# Altium PCB Core.PcbDoc (part 4 of 5) (continued)
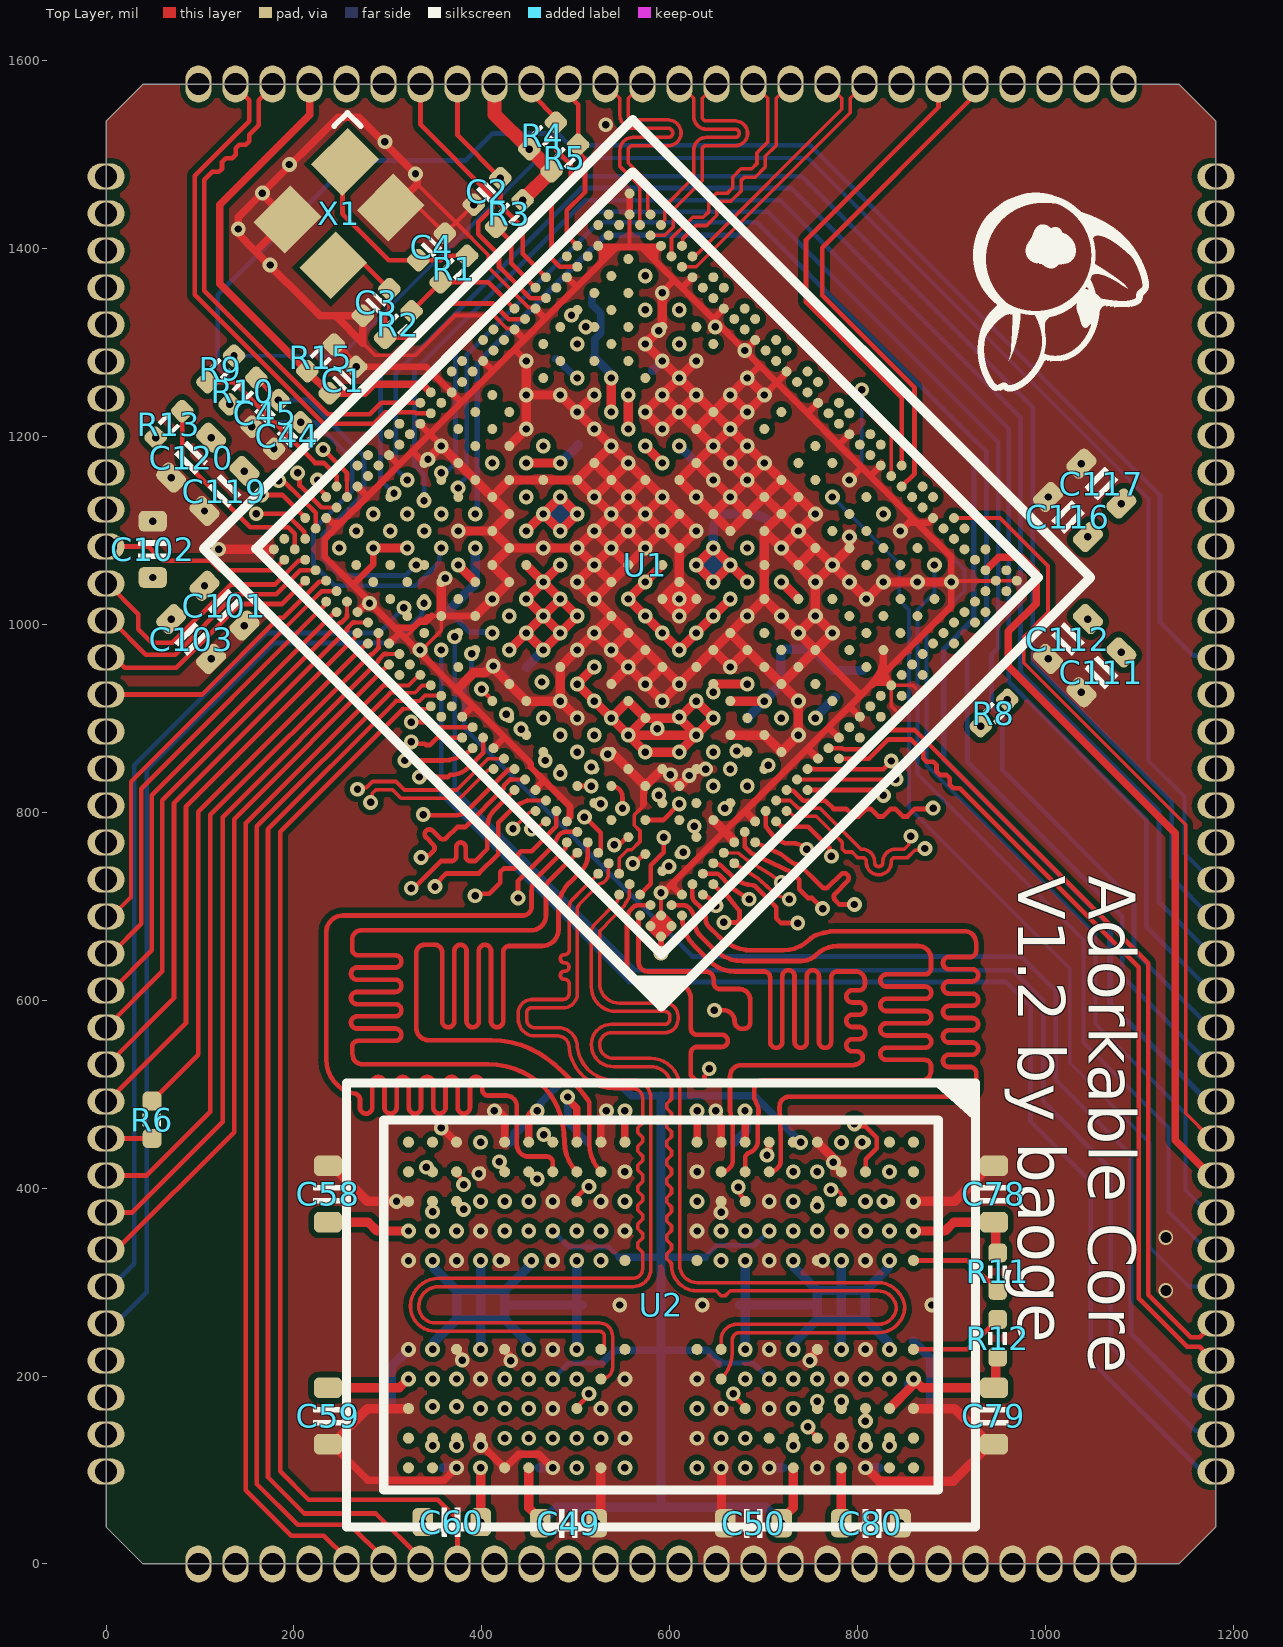
[diagram p0: Top Layer view]
## Nets (pads, with @x,y where several pads share a name; then routed paths per layer and width w, separated by ;. In a path a pad name is that pad's centre, name@x,y a point inside that pad or via, vN(x,y) a via of type N, cw(c..) or ccw(c..) an arc to the next point about the centre after c; other vN are vias at no path point) (continued)
LPDDR4_RESETN: U1.1C7 U2.T11 | length 904.3
  SIG3 w5: v1(475.39,133.86) 489.8,119.45 558.13,119.45 584.33,145.65 584.33,635.61 576.15,643.79 576.15,720.19 584.33,728.37 584.33,761.95 568.65,777.62 568.65,847.49 534.1,882.04 v1(519.56,882.04)
NetC3_2: C3.2 R2.1 U1.AD37 X1.3 | length 296.9
  Top Layer w4.6: 432.64,1324.67 U1.AD37@445.79,1324.67
  Top Layer w5: X1.3@241.77,1382.02 244.04,1384.3 273.91,1384.3 C3.2@301.54,1356.66 301.54,1333.56 296.88,1328.89 R2.1@296.88,1304.76 331.34,1304.76 367.8,1341.22 411.99,1341.22 428.54,1324.67 432.64,1324.67
NetC4_2: C4.2 R1.1 X1.1 | length 211.4
  Top Layer w5: X1.1@254.3,1491.99 251.51,1489.21 251.51,1436.81 300.89,1387.43 356.55,1387.43 361.21,1392.09 R1.1@384.22,1392.09
NetR1_2: R1.2 R2.2 U1.AD38 | length 133.8
  Top Layer w5: R2.2@325.17,1333.04 R1.2@355.94,1363.81 406.65,1363.81 U1.AD38@434.65,1335.81
NetR6_1: R6.1 U1.A29 | length 583
  Top Layer w5: R6.1@48.92,492.76 97.97,541.81 97.97,800.58 274.05,976.66 274.42,976.66 277.23,979.47 U1.A29@278.76,979.47
NetR7_1: R7.1 U1.1U16
  other v1: 610.04,1298.23
NetR8_1: R8.1 U1.1F3 | length 385.4
  GND5 w5: v1(646.23,863.94) 661.83,879.54 677.03,879.54 687.84,868.72 687.84,846.37 698.66,835.56 748.07,835.56 832.17,919.65 v1(959.02,919.65)
NetR9_1: R9.1 U1.G38 | length 190
  Top Layer w5: R9.1@107.91,1257.51 136.55,1257.51 201.48,1192.58 222.44,1171.62 231.45,1171.62 245.35,1157.72 U1.G38@245.35,1146.5
NetR11_2: R11.2 U2.A5 | length 102.7
  Top Layer w5: U2.A5@859.25,322.83 917.01,322.83 R11.2@948.82,291.02
NetR12_1: R12.1 U2.A8 | length 102.7
  Top Layer w5: U2.A8@859.25,228.35 917.01,228.35 R12.1@948.82,260.16
NetR13_1: R13.1 U1.B37 | length 220.4
  Top Layer w4.6: 200.77,1096.25 200.81,1096.21 U1.B37@200.81,1079.69
  Top Layer w5: R13.1@81.07,1226.74 81.07,1175.37 153.3,1103.14 193.88,1103.14 200.77,1096.25
PDM_CLK0_M0_PMIC: pad.89 U1.1A14 | length 1459.1
  Bottom Layer w5: v1(356.71,972.52) 356.71,868.3 356.71,819.23 556.59,619.35 957.24,619.35 983.72,592.87 983.72,470.95 1048,406.67 1048,216.42 1161.68,102.74 1176.79,102.74 pad.89@1181.1,98.43
PMIC_INT_L: pad.21 U1.1R19 | length 362.9
  PWR4 w5: pad.21@295.28,1574.8 295.28,1568.9 363.45,1500.72 363.45,1440.22 471.61,1332.06 489.28,1314.39 508.67,1314.39 v1(510.61,1316.33)
PMIC_SLEEP_H: pad.22 U1.1P19 | length 391.5
  PWR4 w5: pad.22@255.91,1574.8 255.91,1521.2 476.81,1300.29 499.41,1300.29 v1(501.47,1298.23)
RESETN: C2.2 pad.19 U1.1R20 U1.AG38 | length 427
  Top Layer w5: pad.19@374.02,1574.8 374.02,1520.41 v1(419.65,1474.77) 419.65,1445.64 443.28,1422.01 443.28,1394 U1.AG38@468.06,1369.21
  PWR4 w5: v1(419.65,1474.77) 419.65,1443.93 501.47,1362.11 501.47,1350.02 495.62,1344.17 495.62,1329.16 v1(495.25,1328.79)
RGB_LED_B: pad.91 U1.1B13 | length 1344.2
  Bottom Layer w5: v1(388.98,968.58) 388.98,948.81 380.84,940.68 380.84,890.08 624.56,646.37 973.95,646.37 1010.62,609.7 1010.62,515 1090.72,434.9 1090.72,244.9 1156.85,178.78 1179.49,178.78 pad.91@1181.1,177.17
RGB_LED_G: U1.A26
RGB_LED_R: U1.B26
SARADC_VIN0: C44.2 pad.111 U1.1D17 | length 2002.4
  Bottom Layer w5: v1(356.71,1081.09) 354.65,1079.03 354.65,1066.06 329.48,1040.9 243.54,1040.9 220.72,1063.72 220.72,1100.62 262.04,1141.95 262.04,1175.29 222.4,1214.93 v1(207.06,1214.93) 178.04,1214.93 119.01,1273.95 119.01,1350.74 261.82,1493.55 382.85,1493.55 411.58,1522.28 480.59,1522.28 493.19,1509.68 749.26,1509.68 1121.54,1137.4 1121.54,1002.26 1157.17,966.63 1179.04,966.63 pad.111@1181.1,964.57
SDMMC0_CLK: pad.105 R9.2 | length 1648.7
  Bottom Layer w4: v1(136.19,1285.8) 250.34,1285.8 460.58,1496.03 746.81,1496.03 1109.42,1133.42 1109.42,854.74 1147.48,816.68 1147.48,756.07 1175.2,728.35 pad.105@1181.1,728.35
SDMMC0_CMD: pad.102 U1.1E19 | length 1643.3
  Bottom Layer w5: v1(338.32,1131.48) 338.61,1131.77 338.61,1159.09 328.15,1169.54 328.15,1269.44 509.86,1451.15 717.35,1451.15 960.51,1207.98 960.51,938.54 1107.13,791.92 1107.13,678.31 1175.2,610.24 pad.102@1181.1,610.24
SDMMC0_D0: pad.103 U1.1E20 | length 1626.1
  Bottom Layer w5: v1(320.52,1153.47) 308.32,1165.67 308.32,1266.91 505.51,1464.11 728.96,1464.11 973.06,1220.01 973.06,948.65 1120.38,801.33 1120.38,704.42 1175.2,649.61 pad.103@1181.1,649.61
SDMMC0_D1: pad.101 U1.1F19 | length 1609.7
  Bottom Layer w5: v1(356.71,1161.22) 358.76,1163.28 363.86,1163.28 371.89,1171.31 371.89,1294.31 516.56,1438.98 704.29,1438.98 949.4,1193.87 949.4,975.11 942.28,968 942.28,912.22 953.65,900.86 953.65,844.93 1093.87,704.7 1093.87,652.19 1175.2,570.87 pad.101@1181.1,570.87
SDMMC0_D2: pad.104 U1.1D20 | length 1645.5
  Bottom Layer w5: v1(306.38,1139.29) 292.04,1153.63 292.04,1271.8 496.92,1476.67 740.55,1476.67 986.18,1231.05 986.18,958.9 1133.96,811.12 1133.96,730.21 1175.2,688.98 pad.104@1181.1,688.98
SDMMC0_D3: pad.100 U1.1F18 | length 1631.8
  Bottom Layer w5: v1(374.58,1144.99) 374.58,1147.9 383.77,1157.09 383.77,1286.9 524.51,1427.64 692.57,1427.64 916.75,1203.45 936.92,1183.29 936.92,992.14 916.33,971.56 916.33,885.4 916.75,884.98 916.75,853.29 1081.33,688.72 1081.33,625.36 1175.2,531.5 pad.100@1181.1,531.5
SDMMC0_DET_L: pad.20 U1.AF37 | length 305.4
  Top Layer w4.6: 451.4,1346.94 U1.AF37@468.06,1346.94
  Top Layer w5: pad.20@334.65,1574.8 334.65,1531.5 411.15,1454.99 411.15,1442.75 396.03,1427.62 396.03,1414.87 418.17,1392.73 418.17,1380.15 451.38,1346.94
SDMMC1_CLK: pad.59 R13.2 | length 1009.8
  SIG3 w5: pad.59@0,216.54 10.27,216.54 29.02,235.29 29.02,1125.82 52.79,1149.58 v1(52.79,1198.46)
SDMMC1_CMD: pad.39 U1.B35 | length 275.4
  Top Layer w4.6: 206.76,1057.42 U1.B35@223.08,1057.42
  Top Layer w5: pad.39@0,1003.94 5.91,1003.94 42.27,967.57 73.41,967.57 137.66,1031.82 181.16,1031.82 206.76,1057.42
SDMMC1_D0: pad.65 U1.1C19 | length 1226.2
  SIG3 w5: pad.65@177.16,0 177.16,4.51 95.04,86.64 95.04,879.17 271.89,1056.02 284.08,1056.02 302.42,1074.36 v1(302.42,1099.18)
SDMMC1_D1: pad.60 U1.1E18 | length 1267.4
  SIG3 w5: pad.60@0,177.17 5.91,177.17 39.43,210.69 39.43,1003.41 101.3,1065.29 136.2,1065.29 204.26,1133.34 228.47,1133.34 266.69,1171.56 322.79,1171.56 356.71,1137.65 v1(356.71,1117.28)
SDMMC1_D2: pad.66 U1.1D18 | length 1285.7
  SIG3 w5: pad.66@216.53,0 216.53,10.39 196.37,30.55 180.81,30.55 106.15,105.21 106.15,871.1 273.44,1038.38 325.71,1038.38 344.35,1057.03 344.35,1073.07 338.61,1078.81 v1(338.61,1099.18)
SDMMC1_D3: pad.64 U1.1A20 | length 1171.8
  SIG3 w5: pad.64@137.79,0 137.79,8.14 83.43,62.51 83.43,889.54 248.14,1054.25 v1(248.14,1081.09)
SPI3_CLK_M1: pad.94 U1.1U7 | length 1026.1
  Bottom Layer w4: v1(772.9,1135.37) 844,1064.27 844,1025.55 854.46,1015.09 854.46,804.63 1025.45,633.64 1025.45,533.24 1110.45,448.24 1110.45,336.97 1152.14,295.28 pad.94@1181.1,295.28
SPI3_MOSI_M1: pad.96 U1.AP12 | length 1175.3
  Top Layer w4: v1(804.14,1249.57) 804.14,1232.28 835.53,1200.88 U1.AP12@835.53,1157.64
  Bottom Layer w4: v1(804.14,1249.57) 804.14,1167.6 913.47,1058.27 913.47,1035.3 873.08,994.9 873.08,849.87 1052.95,670 1052.95,574.92 1148.54,479.33 1148.54,397.74 1172.26,374.02 pad.96@1181.1,374.02
TFT_BLK: pad.97 U1.AP3 | length 815.6
  Top Layer w8: U1.AP3@935.75,1057.42 935.92,1057.42 949.74,1071.24 974.14,1071.24 989.84,1055.54 989.84,1021.97 960.27,992.41 960.27,955.05 1137.56,777.75 1137.56,451.02 1175.2,413.39 pad.97@1181.1,413.39
TFT_DC: pad.98 U1.AR7 | length 829.2
  Top Layer w4: U1.AR7@902.35,1113.1 951.25,1113.1 1002.41,1061.94 1002.41,1012.52 976.46,986.57 976.46,958.95 1148.86,786.54 1148.86,649.01 1148.86,479.5 1175.61,452.76 pad.98@1181.1,452.76
TFT_REC: pad.95 U1.1V2 | length 873.5
  Bottom Layer w4: v1(881.47,1062.99) 881.47,1033.44 863.38,1015.35 863.38,840.72 1040.05,664.05 1040.05,554.87 1130.5,464.42 1130.5,374.94 1170.79,334.65 pad.95@1181.1,334.65
UART1_CTSN_M0: pad.27 U1.G37 | length 450.7
  Top Layer w4.6: U1.G37@256.49,1135.37 256.49,1152.92
  Top Layer w5: v1(230.94,1186.03) 256.49,1160.48 256.49,1152.92
  SIG3 w5: pad.27@0,1476.38 5.91,1476.38 98.43,1383.86 98.43,1353.29 230.94,1220.78 v1(230.94,1186.03)
UART1_RTSN_M0: pad.28 U1.F37 | length 427.3
  Top Layer w4.6: 229.18,1124.36 229.31,1124.23 U1.F37@245.35,1124.23
  Top Layer w5: v1(203.84,1161.07) 205.9,1159.01 205.9,1147.64 229.18,1124.36
  SIG3 w5: pad.28@0,1437.01 5.91,1437.01 77.76,1365.15 77.76,1320.89 203.84,1194.81 v1(203.84,1161.07)
UART1_RX_M0: pad.62 U1.1C20 | length 1165.9
  SIG3 w5: pad.62@0,98.42 7.93,98.42 60.45,150.95 60.45,935.48 242.25,1117.28 v1(284.33,1117.28)
UART1_TX_M0: pad.26 U1.F38 | length 516.1
  Top Layer w5: v1(224.97,1153.47) 227.03,1151.41 227.03,1144.08 234.21,1136.89 U1.F38@234.21,1135.37
  SIG3 w5: pad.26@98.43,1574.8 98.43,1418.17 118.09,1398.51 118.09,1363.47 249.61,1231.96 249.61,1178.11 v1(224.97,1153.47)
UART2_RX_M0_DEBUG: pad.119 U1.1V19 | length 645
  SIG3 w5: v1(573.85,1370.61) 629.25,1370.61 647.35,1352.52 1026.34,1352.52 1099.33,1279.53 pad.119@1181.1,1279.53
UART2_TX_M0_DEBUG: pad.118 U1.1U18 | length 661.3
  SIG3 w5: v1(573.85,1334.42) 573.89,1334.38 587.44,1334.38 605.49,1316.33 622.56,1316.33 640.61,1334.38 1018.61,1334.38 1112.83,1240.16 pad.118@1181.1,1240.16
USB_HOST2_N: pad.92 U1.V1 | length 902.3
  Top Layer w5: U1.V1@779.85,856.98 811.77,856.98 817.63,862.84 832.21,877.42 856.49,877.42 867.83,866.08 869.6,864.31 869.6,857.24 873.13,853.71 880.2,853.71 883.74,850.17 883.74,843.1 887.27,839.56 894.34,839.56 897.88,836.03 897.88,828.96 901.42,825.42 908.49,825.42 911.75,822.15 1099.02,634.88 1099.02,282.5 1104.88,276.65 1144.45,237.08 1150.31,231.22 1163.93,231.22 1178.62,216.54 pad.92@1181.1,216.54
USB_HOST2_P: pad.93 U1.V2 | length 901.5
  Top Layer w4.6: U1.V2@768.72,868.12 782.48,868.14 782.68,867.94
  Top Layer w5: 782.68,867.94 782.75,868.01 782.75,868.13 785.86,866.98 807.63,866.98 828.07,887.42 860.63,887.42 1109.02,639.03 1109.02,286.65 1154.45,241.22 1163.93,241.22 1178.62,255.91 pad.93@1181.1,255.91
USB_HOST3_N: U1.Y1
USB_HOST3_P: U1.Y2
USB_OTG0_N: pad.24 U1.R38 | length 552
  Top Layer w5: pad.24@177.16,1574.8 177.16,1572.32 162.48,1557.63 162.48,1533.6 162.48,1531 152.41,1520.93 152.41,1513.86 148.87,1510.32 141.8,1510.32 137.91,1506.43 137.91,1499.36 134.38,1495.83 127.31,1495.83 123.42,1491.94 123.42,1484.87 119.88,1481.33 112.81,1481.33 111.04,1479.57 104.39,1472.92 104.39,1354.94 235.95,1223.38 280.6,1223.38 292.81,1235.59 U1.R38@334.43,1235.59
USB_OTG0_P: pad.25 U1.R37 | length 567.8
  Top Layer w4.6: 331.34,1224.45 U1.R37@345.57,1224.45
  Top Layer w5: pad.25@137.79,1574.8 137.79,1572.32 152.48,1557.63 152.48,1535.14 94.39,1477.06 94.39,1350.8 231.81,1213.38 284.74,1213.38 296.95,1225.59 328.43,1225.59 329.57,1224.45 331.34,1224.45
USB_OTG0_VBUSDET: C1.2 pad.23 R15.2 U1.T38 | length 532.2
  Top Layer w8: pad.23@216.53,1574.8 216.53,1542.09 121.05,1446.6 121.05,1362.48 R15.2@214.2,1269.32 C1.2@237.83,1245.7 275.48,1245.7 285.01,1255.23 336.35,1255.23 344.86,1246.72 U1.T38@345.57,1246.72
VCC0V6_DDR: C33.2 C34.2 C35.2 C36.2 C38.2 C39.2 C40.2 C41.2 C42.2 C58.2 C59.2 C60.2 C61.2 C62.2 C63.2 C64.2 C65.2 C66.2 C67.2 C68.2 C69.2 C70.2 C71.2 C72.2 C73.2 C74.2 C75.2 C76.2 C77.2 C78.2 C79.2 C80.2 C81.2 C82.2 C83.2 C84.2 C85.2 C86.2 C87.2 C88.2 C89.2 C90.2 C91.2 C92.2 C93.2 C94.2 C95.2 C96.2 C97.2 C98.2 C99.2 pad.71@413.39,0 pad.72 pad.73 pad.74 pad.75 pad.76 R8.2 R11.1 R12.2 U1.1D5 U1.1D6 U1.1D7 U1.1D8 U1.1D9 U1.1E4 U1.1E6 U1.1E7 U1.1E9 U1.1F4 U1.1F5 U1.1G4 U1.1G5 U2.A4 U2.A9 U2.AA3 U2.AA5 U2.AA8 U2.AA10 U2.AB4 U2.AB9 U2.B3 U2.B5 U2.B8 U2.B10 U2.D1 U2.D5 U2.D8 U2.D12 U2.F3 U2.F5 U2.F8 U2.F10 U2.H1 U2.H5 U2.H8 U2.H12 U2.K1 U2.K3 U2.K10 U2.K12 U2.N1 U2.N3 U2.N10 U2.N12 U2.R1 U2.R5 U2.R8 U2.R12 U2.U3 U2.U5 U2.U8 U2.U10 U2.W1 U2.W5 U2.W8 U2.W12 | length 2618.4
  Top Layer w8: v1(491.17,496.87) 491.17,494.77 500.98,484.96 U2.R1@500.98,448.82 ; U2.N1@552.16,448.82 v1(552.16,482.32) ; U2.K1@628.94,448.59 v1(628.94,482.09) ; v1(679.95,482.09) U2.H1@680.12,448.82 ; v1(782.48,448.59) U2.D1@782.48,448.82
  Top Layer w10: C59.2@236.22,187.48 311.99,187.48 321.36,196.85 v1(321.85,196.85) ; C58.2@236.22,363.7 279.09,363.7 288.46,354.33 v1(321.85,354.33) ; v1(398.62,44.6) v1(398.62,102.36) ; v1(519.56,954.42) v1(501.47,936.33) v1(519.56,918.23) v1(537.66,900.13) ; v1(610.04,901.23) U1.1F5@610.04,900.13 ; v1(782.48,43.31) U2.D12@782.48,102.36 ; U2.B10@833.66,165.35 v1@858.91,190.6 ; v1(859.25,196.85) 868.62,187.48 C79.2@944.88,187.48 946.85,189.45 946.85,218.19 R12.2@948.82,220.16 ; v1(859.25,354.33) 892.65,354.33 902.02,363.7 C78.2@944.88,363.7 946.85,361.73 946.85,332.99 R11.1@948.82,331.02 ; v1(537.66,900.13) v1(555.76,882.04) ; v1(537.66,900.13) U1.1E7@555.76,918.23 U1.1E6@573.85,900.13 ; v1(555.76,882.04) v1(628.14,882.04) ; v1(555.76,882.04) v1(573.85,863.94) v1(610.04,863.94) v1(628.14,882.04) ; v1(555.76,882.04) U1.1E6@573.85,900.13 ; U1.1E6@573.85,900.13 U1.1F5@610.04,900.13 ; U1.1F5@610.04,900.13 v1(628.14,882.04) ; U1.1F5@610.04,900.13 v1(628.14,918.23) v1(646.23,900.13) v1(628.14,882.04)
  Bottom Layer w8: v1(491.17,496.87) 491.17,469.81 C97.2@512.16,448.82
  Bottom Layer w10: v1(347.44,228.35) 348.54,229.45 348.54,235.67 C72.2@373.03,260.16 ; v1(347.44,322.83) 348.54,321.73 348.54,315.51 C64.2@373.03,291.02 ; v1(398.62,228.35) 398.62,260.16 ; v1(398.62,322.83) 398.62,291.02 ; v1(449.8,228.35) 448.7,229.45 448.7,235.67 C70.2@424.21,260.16 ; v1(452.76,322.83) 451.66,321.73 451.66,318.47 C74.2@424.21,291.02 ; v1(500.98,228.35) C95.2@500.98,275.59 ; v1(500.98,322.83) C95.2@500.98,275.59 ; C95.2@506.57,275.59 C95.2@500.98,275.59 ; C98.2@668.94,448.82 681.16,461.04 681.16,479.33 679.95,480.54 v1(679.95,482.09) ; C96.2@674.53,275.59 C96.2@680.12,275.59 ; v1(680.12,228.35) C96.2@680.12,275.59 ; v1(680.12,322.83) C96.2@680.12,275.59 ; v1(731.3,228.35) 732.4,229.45 732.4,235.67 C71.2@756.89,260.16 ; v1(731.3,322.83) 732.4,321.73 732.4,315.51 C77.2@756.89,291.02 ; v1(782.48,43.31) C87.2@782.48,102.36 ; v1(782.48,228.35) 782.48,260.16 ; v1(782.48,322.83) 782.48,291.02 ; C91.2@833.66,165.35 854.25,185.94 854.25,191.85 v1(859.25,196.85) ; v1(833.66,228.35) 832.56,229.45 832.56,235.67 C67.2@808.07,260.16 ; v1(833.66,322.83) 832.56,321.73 832.56,315.51 C75.2@808.07,291.02 ; C72.2@373.03,260.16 398.62,260.16 ; C72.2@373.03,260.16 C64.2@373.03,291.02 ; C64.2@373.03,291.02 398.62,291.02 ; 398.62,260.16 C70.2@424.21,260.16 ; 398.62,260.16 398.62,291.02 ; 398.62,291.02 C74.2@424.21,291.02 ; C70.2@424.21,260.16 424.21,275.59 ; 424.21,275.59 C74.2@424.21,291.02 ; 424.21,275.59 C95.2@500.98,275.59 ; C96.2@680.12,275.59 756.89,275.59 ; C71.2@756.89,260.16 782.48,260.16 ; C71.2@756.89,260.16 756.89,275.59 ; 756.89,275.59 C77.2@756.89,291.02 ; C77.2@756.89,291.02 782.48,291.02 ; 782.48,260.16 C67.2@808.07,260.16 ; 782.48,260.16 782.48,291.02 ; 782.48,291.02 C75.2@808.07,291.02 ; C67.2@808.07,260.16 C75.2@808.07,291.02
  other v1: 500.98,102.36 552.16,102.36 628.94,102.36 680.12,102.36 449.8,165.35 552.16,165.35 628.94,165.35 731.3,165.35 347.44,167.56 347.44,374.7 449.8,385.83 552.16,385.83 628.94,385.83 731.3,385.83 827.85,385.83 398.62,448.82 586.47,888.89 930.74,891.37
VCC1V8_DDR: C14.2 C15.2 C49.2 C50.2 C51.2 C52.2 C53.2 C54.2 C55.2 C56.2 pad.121 U1.1N18 U2.F1 U2.F12 U2.G4 U2.G9 U2.T4 U2.T9 U2.U1 U2.U12 | length 4590
  Top Layer w8: U2.U1@449.8,448.82 449.8,473.14 cw(c458.75,473.14) v1(458.75,482.09) ; U2.F1@731.3,448.59 v1(739.08,448.59)
  Top Layer w10: U2.U12@449.8,102.36 449.8,59.9 462.13,47.58 v1(462.13,43.31) ; v1(718.98,43.31) 718.98,47.58 731.3,59.9 U2.F12@731.3,102.36
  SIG3 w10: v1(501.47,1262.04) 530.56,1291.13 530.56,1390.47 559.31,1419.22 1056.91,1419.22 1117.87,1358.27 pad.121@1181.1,1358.27
  GND5 w10: v1(462.13,43.31) 482.54,63.73 698.56,63.73 v1(718.98,43.31) 748.19,43.31 768.61,63.73 1045.65,63.73 1146.73,164.8 1146.73,1341.38 1160.26,1354.91 1177.74,1354.91 pad.121@1181.1,1358.27
  Bottom Layer w5: v1(475.39,196.85) 492.48,213.94 528.04,213.94 ; v1(475.39,354.33) 492.48,337.24 535.2,337.24 546.24,326.2 ; 637.52,326.2 650.42,339.1 690.48,339.1 v1(705.71,354.33) ; 653.37,213.94 688.62,213.94 v1(705.71,196.85)
  Bottom Layer w8: v1(458.75,482.09) 458.75,484.18 462.37,487.81 462.37,490.57 484.58,512.78 544.2,512.78 558.98,498 590.55,498 689.67,498 v1(739.08,448.59) ; C14.2@478.08,1282.65 479.47,1282.65 500.08,1262.04 v1(501.47,1262.04) ; 528.04,213.94 541.57,227.48 590.55,227.48 639.53,227.48 653.06,213.94 ; 546.24,326.2 590.55,326.2 637.52,326.2
  Bottom Layer w10: C54.2@429.8,448.82 434.8,453.82 434.8,458.14 v1(458.75,482.09) ; v1(462.13,43.31) 479.03,60.21 590.55,60.21 ; 590.55,498 590.55,326.2 590.55,227.48 590.55,60.21 ; 653.06,213.94 653.37,213.94 ; v1(718.98,43.31) 702.07,60.21 590.55,60.21
VCC3V3_PMU: C9.1 C18.1 pad.18 R3.2 R4.1 R5.1 U1.1N15 U1.1P16 | length 545.7
  Top Layer w10: v1(555.76,1207.75) v1(555.76,1243.95)
  Top Layer w15: pad.18@413.39,1574.8 413.39,1542.58 v1(450.42,1505.54) R5.1@474.05,1481.92 v1(443.28,1451.15)
  PWR4 w10: v1(450.42,1505.54) 449.28,1505.54 443.28,1499.54 v1(443.28,1451.15) 555.76,1338.67 v1(555.76,1243.95) v1(555.76,1207.75)
VCC_1V8: C27.2 C30.2 C57.1 pad.7 U1.1C13 U1.1E16 | length 1767.1
  SIG3 w10: v1(392.9,1081.09) 392.9,1019.71 409.89,1002.72 409.89,991.71 v1(410.99,990.61)
  GND5 w10: v1(392.9,1081.09) 409.8,1097.99 409.8,1141.96 380.2,1171.56 380.2,1196.33 361.6,1214.93 322.85,1214.93 203,1095.08 146.92,1095.08 129.98,1112.02 129.98,1141.63 86.73,1184.88 86.73,1278.77 132.79,1324.83 437.3,1324.83 642.52,1530.05 825.4,1530.05 843.11,1547.75 843.11,1571.46 pad.7@846.46,1574.8
  Bottom Layer w6: C27.2@362.35,1012.17 366.47,1012.17 386.9,991.74 C30.2@409.87,991.74 v1(410.99,990.61)
  Bottom Layer w10: C27.2@362.35,1012.17 392.9,1042.72 v1(392.9,1081.09)
VCC_3V3: C6.2 C13.2 C47.1 C48.1 pad.116 pad.117 U1.1H18 U1.1J2 U1.1N5 U1.1N6 U1.1N8 | length 831.6
  Top Layer w10: v1(718.61,1044.9) U1.1N5@736.71,1026.8
  SIG3 w10: v1(410.99,1171.56) 427.9,1154.66 599.44,1154.66 610.04,1144.06 610.04,1128.03 ; v1(718.61,900.13) 718.61,928.94 676.23,971.33 645.04,971.33 628.14,954.42 589.5,954.42 537.66,1006.26 537.66,1039.4 561.25,1062.99 584.86,1062.99 610.04,1088.18 610.04,1106.53 ; v1(718.61,1044.9) v1(682.42,1081.09) 646.23,1117.28 620.79,1117.28 ; 610.04,1106.53 620.79,1117.28 ; 610.04,1106.53 610.04,1128.03 ; 610.04,1128.03 620.79,1117.28
VCCA1V8_IMAGE: C31.2 C32.2 pad.3 U1.1P13 | length 630.2
  GND5 w10: v1(610.04,1189.66) 647.42,1227.04 647.42,1282.98 805.02,1440.58 901.19,1440.58 1003.94,1543.33 pad.3@1003.94,1574.8
  Bottom Layer w10: v1(610.04,1189.66) C32.2@628.14,1171.56
VCCA_1V8: C7.2 C10.2 C19.2 C22.2 C23.2 C46.1 pad.122 R10.2 U1.1D15 U1.1D16 U1.1H4 U1.1H16 U1.1J3 U1.1K17 | length 2220.5
  Top Layer w10: v1(374.8,1062.99) U1.1D15@392.9,1044.9 ; U1.1H4@664.33,918.23 v1(700.52,918.23)
  SIG3 w10: v1(465.28,1189.66) 465.28,1359.85 551.24,1445.81 1080.87,1445.81 1129.04,1397.64 pad.122@1181.1,1397.64
  GND5 w10: v1(131.53,1233.89) 153.09,1255.46 351.01,1255.46 430.28,1176.19 430.28,1149.8 441.83,1138.25 442.75,1138.25 445.63,1135.37 v1(447.18,1135.37) ; v1(374.8,1062.99) 401.2,1062.99 429.09,1090.88 429.09,1117.28 v1(447.18,1135.37) ; v1(465.28,1189.66) 465.28,1154.66 ; v1(700.52,918.23) 717.42,935.14 717.42,985.99 701.71,1001.7 701.71,1095.67 680.1,1117.28 619.49,1117.28 610.04,1126.72 610.04,1144.97 600.36,1154.66 465.28,1154.66 ; v1(447.18,1135.37) 465.28,1153.47 465.28,1154.66
  Bottom Layer w10: C23.2@683.55,899.01 cw(c688.98,899.01) 685.14,902.85 v1(700.52,918.23) 718.03,935.74 C10.2@718.03,973.44 751.32,973.44 773.97,950.79 C22.2@805.4,950.79
VCCIO_ACODEC: C122.1 pad.124 U1.1D13 | length 1229.8
  SIG3 w10: v1(429.09,1008.71) 429.09,1123.28 387.64,1164.72 387.64,1347.6 548.92,1508.88 1108.83,1508.88 1141.33,1476.38 pad.124@1181.1,1476.38
VCCIO_SD: C43.2 pad.99 U1.1F17 | length 1665.1
  Bottom Layer w6: C43.2@394.02,1118.4 v1(392.9,1117.28) 392.9,1119.27 394.99,1121.36 394.99,1277.69 531.15,1413.85 680.49,1413.85 923.21,1171.13 923.21,1005.22 891.58,973.59 891.58,855.99 1068.27,679.3 1068.27,596.35 1172.5,492.13 pad.99@1181.1,492.13
VDD_CPU: C37.2 C100.2 C101.2 C102.2 C103.2 C104.2 C105.2 pad.42 pad.43 pad.44 pad.45 pad.46 U1.1C12 U1.1D11 U1.1D12 U1.1E11 U1.1E12 U1.1E13 U1.1F11 U1.1F12 U1.1F13 U1.1F14 U1.1G13 | length 1202
  Top Layer w10: v1(429.09,972.52) v1(447.18,990.61) ; U1.1F14@447.18,1062.99 v1(465.28,1044.9) ; v1(483.37,1062.99) v1(465.28,1044.9) ; v1(447.18,990.61) v1(465.28,972.52) v1(483.37,990.61) ; v1(447.18,990.61) v1(465.28,1008.71) ; v1(465.28,1008.71) v1(447.18,1026.8) v1(465.28,1044.9) ; v1(465.28,1008.71) v1(483.37,1026.8) ; v1(465.28,1008.71) v1(483.37,990.61) ; v1(465.28,1044.9) v1(483.37,1026.8) ; v1(483.37,990.61) v1(501.47,1008.71) v1(483.37,1026.8)
  GND5 w10: pad.46@0,728.35 237.12,728.35 326.98,818.21 347.31,818.21 399.23,870.14 399.23,902.5 462.4,965.68 462.4,968.09 465.28,970.96 v1(465.28,972.52)
  Bottom Layer w10: v1(429.09,972.52) v1(447.18,990.61) ; C105.2@447.72,953.95 cw(c450.16,953.95) 448.44,955.68 v1(465.28,972.52) ; v1(483.37,1062.99) v1(465.28,1044.9) ; v1(447.18,990.61) v1(465.28,972.52) ; v1(447.18,990.61) v1(465.28,1008.71) ; v1(465.28,972.52) v1(483.37,990.61) v1(465.28,1008.71) ; v1(465.28,1008.71) v1(483.37,1026.8) v1(465.28,1044.9) ; v1(465.28,1008.71) v1(447.18,1026.8) v1(465.28,1044.9)
  other v1: 69.34,1005.47 104.77,1040.9 49.65,1049.69
VDD_GPU: C113.2 C114.2 C115.2 C116.2 C117.2 pad.112 pad.113 pad.114 pad.115 U1.1L8 U1.1L9 U1.1M7 U1.1M8 U1.1M9 | length 949
  Top Layer w10: v1(682.42,1044.9) v1(664.33,1062.99) ; v1(664.33,1062.99) v1(646.23,1081.09) v1(628.14,1062.99) v1(646.23,1044.9) v1(664.33,1062.99)
  PWR4 w10: 750.58,1074.55 755.93,1079.9 779.9,1079.9 792.7,1067.1 853.44,1067.1 866.24,1079.9 893.41,1079.9 923.64,1049.66 1061.03,1049.66 1106.75,1003.94 pad.112@1181.1,1003.94
  Bottom Layer w10: v1(682.42,1044.9) v1(664.33,1062.99) ; C114.2@708.42,1107.09 ccw(c683.83,1082.49) 683.83,1117.28 661.42,1117.28 ccw(c661.42,1103.26) 651.5,1113.17 ccw(c664.23,1100.44) 646.23,1100.44 646.23,1095.88 v1(646.23,1081.09) ; v1(628.14,1062.99) 637.18,1053.94 ; v1(628.14,1062.99) 637.68,1072.54 ; v1(628.14,1062.99) 646.23,1062.99 ; 637.18,1053.94 v1(646.23,1044.9) ; 637.18,1053.94 646.23,1062.99 ; 637.68,1072.54 646.23,1063.99 ; 637.68,1072.54 v1(646.23,1081.09) ; v1(646.23,1044.9) 646.23,1062.99 ; v1(646.23,1044.9) 654.57,1053.23 ; 646.23,1062.99 647.23,1062.99 ; 646.23,1062.99 646.73,1063.49 ; 646.23,1062.99 646.23,1063.99 ; 646.23,1063.99 646.73,1063.49 ; 646.23,1063.99 v1(646.23,1081.09) ; v1(646.23,1081.09) 655.28,1072.04 ; 646.73,1063.49 647.23,1062.99 ; 646.73,1063.49 655.28,1072.04 ; 647.23,1062.99 652.85,1057.38 cw(c648.7,1053.23) 654.57,1053.23 ; 647.23,1062.99 v1(664.33,1062.99) ; 654.57,1053.23 v1(664.33,1062.99) ; 655.28,1072.04 v1(664.33,1062.99)
  other v1: 1044.84,1092.96 1080.27,1128.39
VDD_LOGIC: C106.2 C107.2 C108.2 C109.2 C110.2 C111.2 C112.2 pad.106 pad.107 pad.108 pad.109 pad.110 U1.1H7 U1.1H8 U1.1H9 U1.1H10 U1.1J7 U1.1J10 U1.1K7 U1.1K10 U1.1L7 | length 1029.2
  Top Layer w10: U1.1K10@591.95,1062.99 v1(573.85,1044.9) v1(555.76,1026.8) v1(610.04,972.52) v1(628.14,990.61) v1(646.23,1008.71) v1(664.33,1026.8)
  SIG3 w10: v1(628.14,990.61) 689.49,990.61 767.78,912.32 936.93,912.32 1081.54,767.72 pad.106@1181.1,767.72
  Bottom Layer w10: v1(573.85,1044.9) v1(555.76,1026.8) v1(610.04,972.52) v1(628.14,990.61) v1(646.23,1008.71) v1(664.33,1026.8)
  other v1: 1080.27,970.03 591.95,990.61 1044.84,1005.47 573.85,1008.71
VDD_NPU: C118.2 C119.2 C120.2 C121.2 pad.32 pad.33 pad.34 pad.35 pad.36 U1.1G15 U1.1H14 U1.1H15 U1.1J14 U1.1J15 | length 997.4
  Top Layer w10: v1(447.18,1099.18) v1(465.28,1117.28) ; v1(465.28,1117.28) v1(483.37,1099.18) v1(501.47,1117.28) v1(483.37,1135.37) v1(465.28,1117.28)
  PWR4 w10: pad.32@0,1279.53 1.86,1281.39 24.74,1281.39 93.37,1350.02 401.21,1350.02 466.47,1284.76 466.47,1236.94 509.58,1193.83 509.58,1169.08
  Bottom Layer w10: v1(447.18,1099.18) v1(465.28,1117.28) ; v1(465.28,1117.28) C121.2@483.37,1117.28 ; v1(465.28,1117.28) v1(483.37,1135.37) ; v1(465.28,1117.28) v1(483.37,1099.18) ; v1(483.37,1099.18) v1(501.47,1117.28) ; v1(483.37,1099.18) C121.2@483.37,1117.28 ; C121.2@483.37,1117.28 492.34,1126.24 492.34,1126.41 ; C121.2@483.37,1117.28 v1(483.37,1135.37) ; C121.2@483.37,1117.28 v1(501.47,1117.28) ; v1(483.37,1135.37) 492.34,1126.41 ; 492.34,1126.41 v1(501.47,1117.28)
  other v1: 147.2,1162.95 111.76,1198.38
VDDA0V9_IMAGE: C28.2 C29.2 pad.2 U1.1N13 U1.1N14 | length 731.7
  Top Layer w10: v1(573.85,1189.66) v1(591.95,1171.56)
  PWR4 w10: v1(573.85,1189.66) v1(591.95,1171.56) 621.16,1171.56 629.33,1179.73 629.33,1206.62 647.28,1224.57 647.28,1282.84 886.73,1522.29 1011.63,1522.29 1040.42,1551.08 1040.42,1571.92 pad.2@1043.31,1574.8
VDDA0V9_PMU: C11.2 C12.2 C24.1 C25.2 pad.120 U1.1N16 U1.1P17 | length 956.3
  Top Layer w10: v1(537.66,1225.85) v1(537.66,1262.04)
  SIG3 w10: v1(537.66,1225.85) v1(537.66,1262.04) 552.65,1277.03 552.65,1374.78 568.34,1390.47 1036.83,1390.47 1108.4,1318.9 pad.120@1181.1,1318.9
  Bottom Layer w8: C25.2@517.01,1348.16 517.01,1340.55 526.51,1331.04 526.51,1309.74 519.97,1303.2 519.97,1284.47 C11.2@519.59,1284.09
  Bottom Layer w10: C11.2@519.59,1284.09 537.66,1266.02 v1(537.66,1262.04)
VDDA_0V9: C5.2 C8.2 C16.2 C17.2 C20.2 C21.2 pad.123 U1.1H5 U1.1J4 U1.1J17 U1.1K16 | length 2103.2
  Top Layer w10: v1(447.18,1171.56) v1(483.37,1171.56) ; U1.1H5@646.23,936.33 v1(682.42,936.33)
  SIG3 w10: v1(483.37,1171.56) v1(447.18,1171.56) 420.22,1198.53 420.22,1346.67 550.08,1476.53 1094.89,1476.53 1134.41,1437.01 pad.123@1181.1,1437.01
  GND5 w10: v1(682.42,936.33) 682.42,912.42 729.71,865.13 743.71,865.13 754.8,876.23 v1(754.8,900.13) 853.8,999.13 917.87,999.13 977.86,1059.12 977.86,1273.98 1140.88,1437.01 pad.123@1181.1,1437.01
  Bottom Layer w10: v1(483.37,1171.56) C20.2@502.59,1190.78 ; v1(754.8,900.13) 754.8,901.23 C21.2@776.09,922.51
  other v1: 646.23,927.51
WIFI_REG_ON_H: pad.40 U1.A35 | length 254.8
  Top Layer w5: pad.40@0,964.57 9.27,964.57 20.11,953.73 74.46,953.73 142.17,1021.43 187.05,1021.43 200.77,1035.15 ; 200.81,1035.15 U1.A35@211.94,1046.29
WIFI_WAKE_HOST_H: pad.41 U1.B34 | length 284.4
  Top Layer w5: pad.41@0,925.2 102.26,925.2 183.88,1006.81 188.47,1006.81 226.86,1045.21 233.14,1045.21 U1.B34@234.21,1046.28